# Altium PCB allaki_mezzanine.PcbDoc (part 1 of 3)
Units mm, origin at the board's own origin, x right, y up, seen from the top; angles counter-clockwise.
Board outline 100.05 x 34.55 mm, 6 copper layers (Top Layer, MidLayer1, MidLayer2, MidLayer3, MidLayer4, Bottom Layer), stack 1.096 mm thick; 322 components, 189 nets, 933 pads, 442 vias.
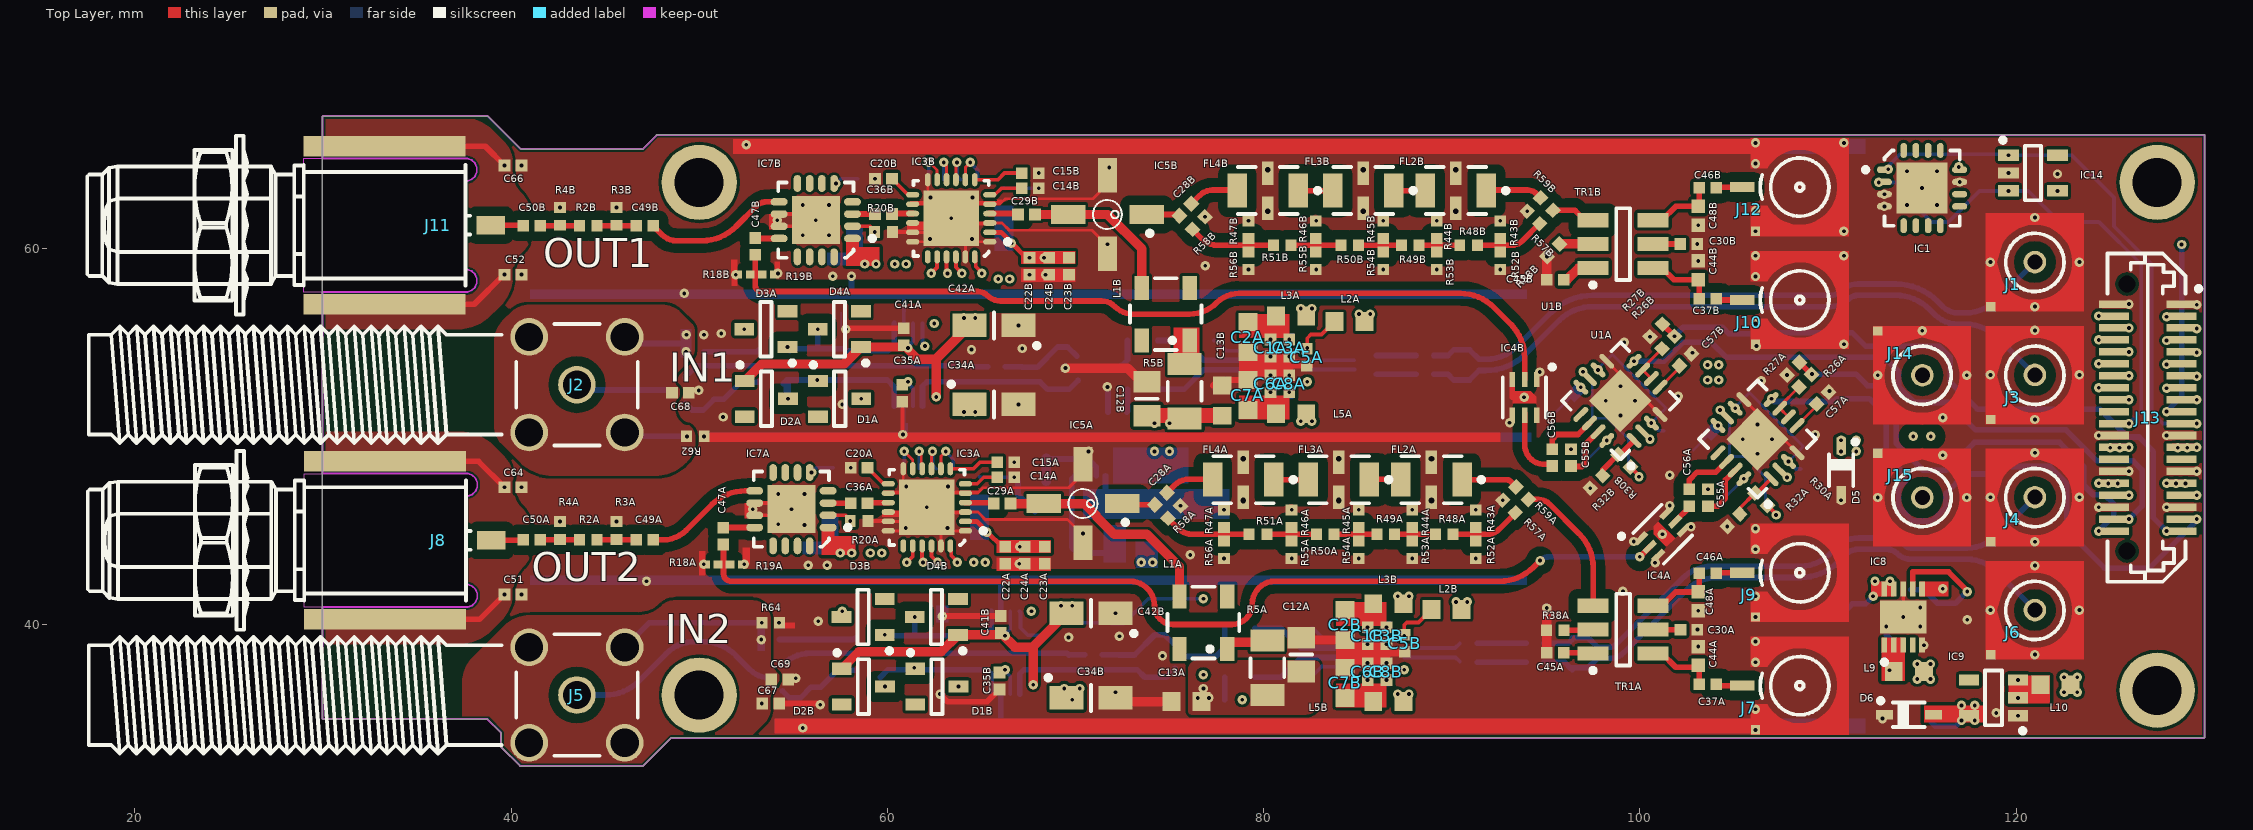
[diagram p0: Top Layer view]
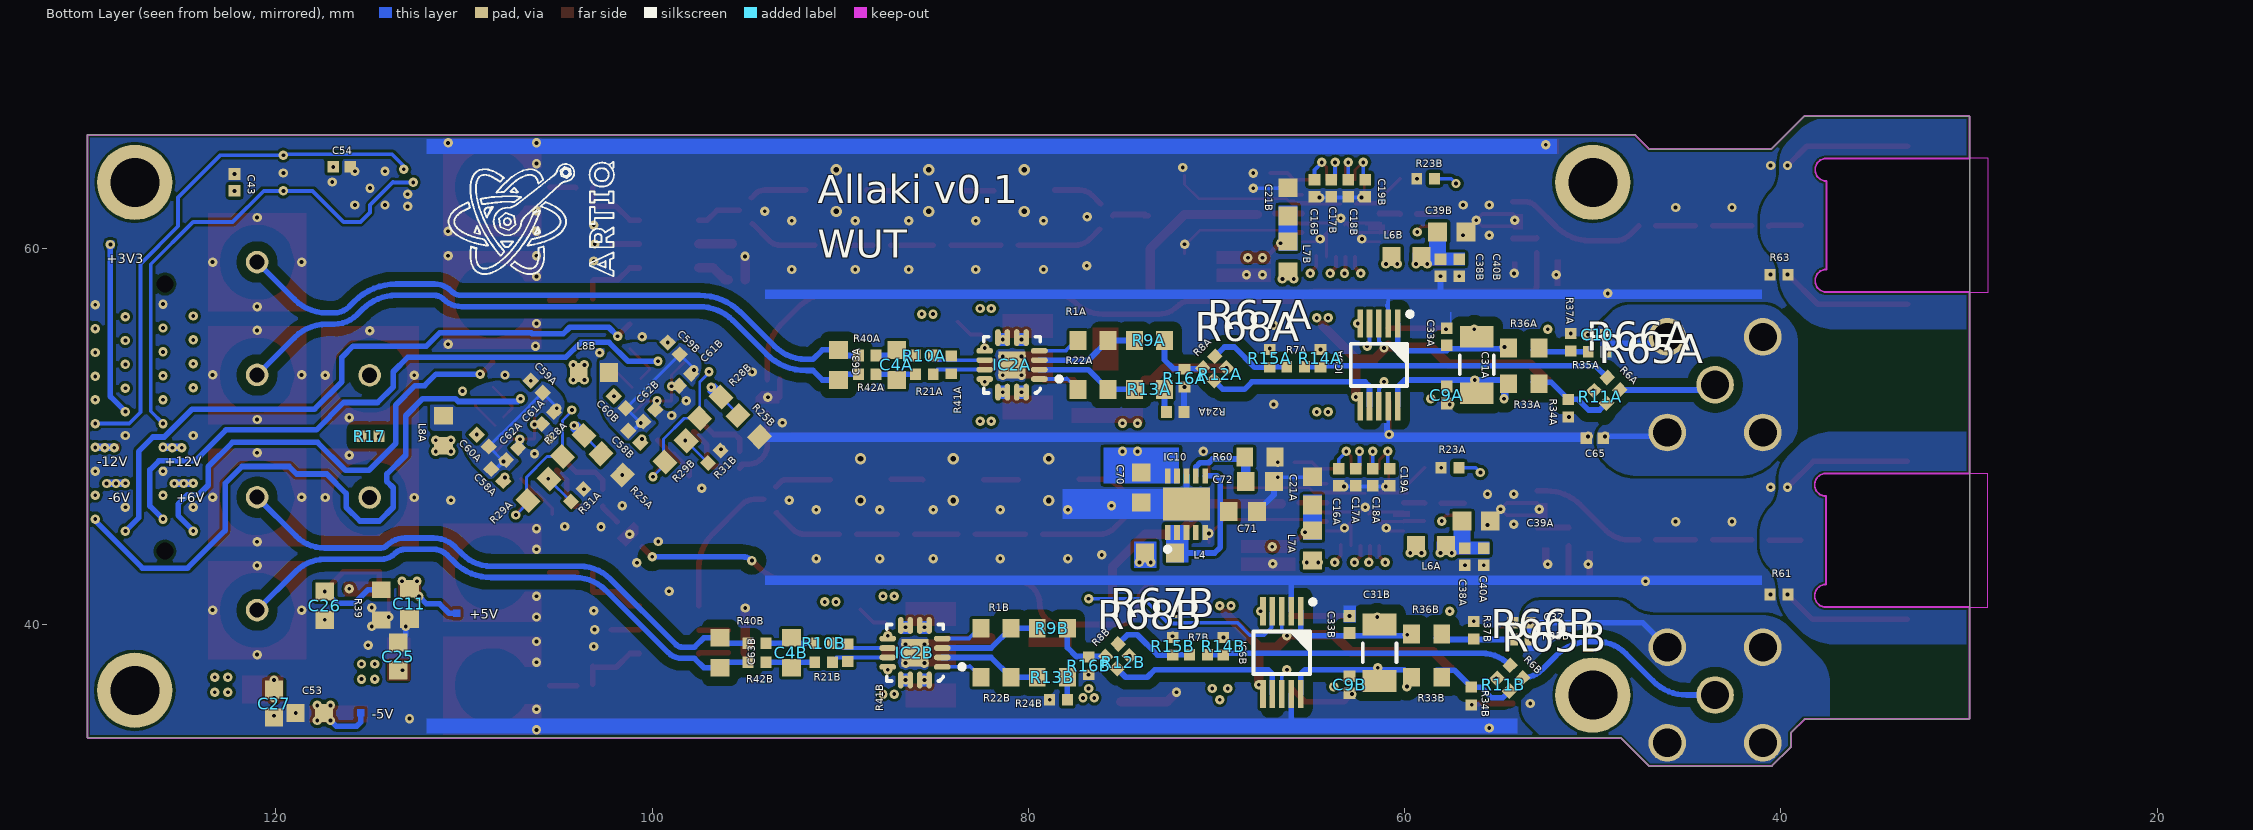
[diagram p1: Bottom Layer view, seen from below]
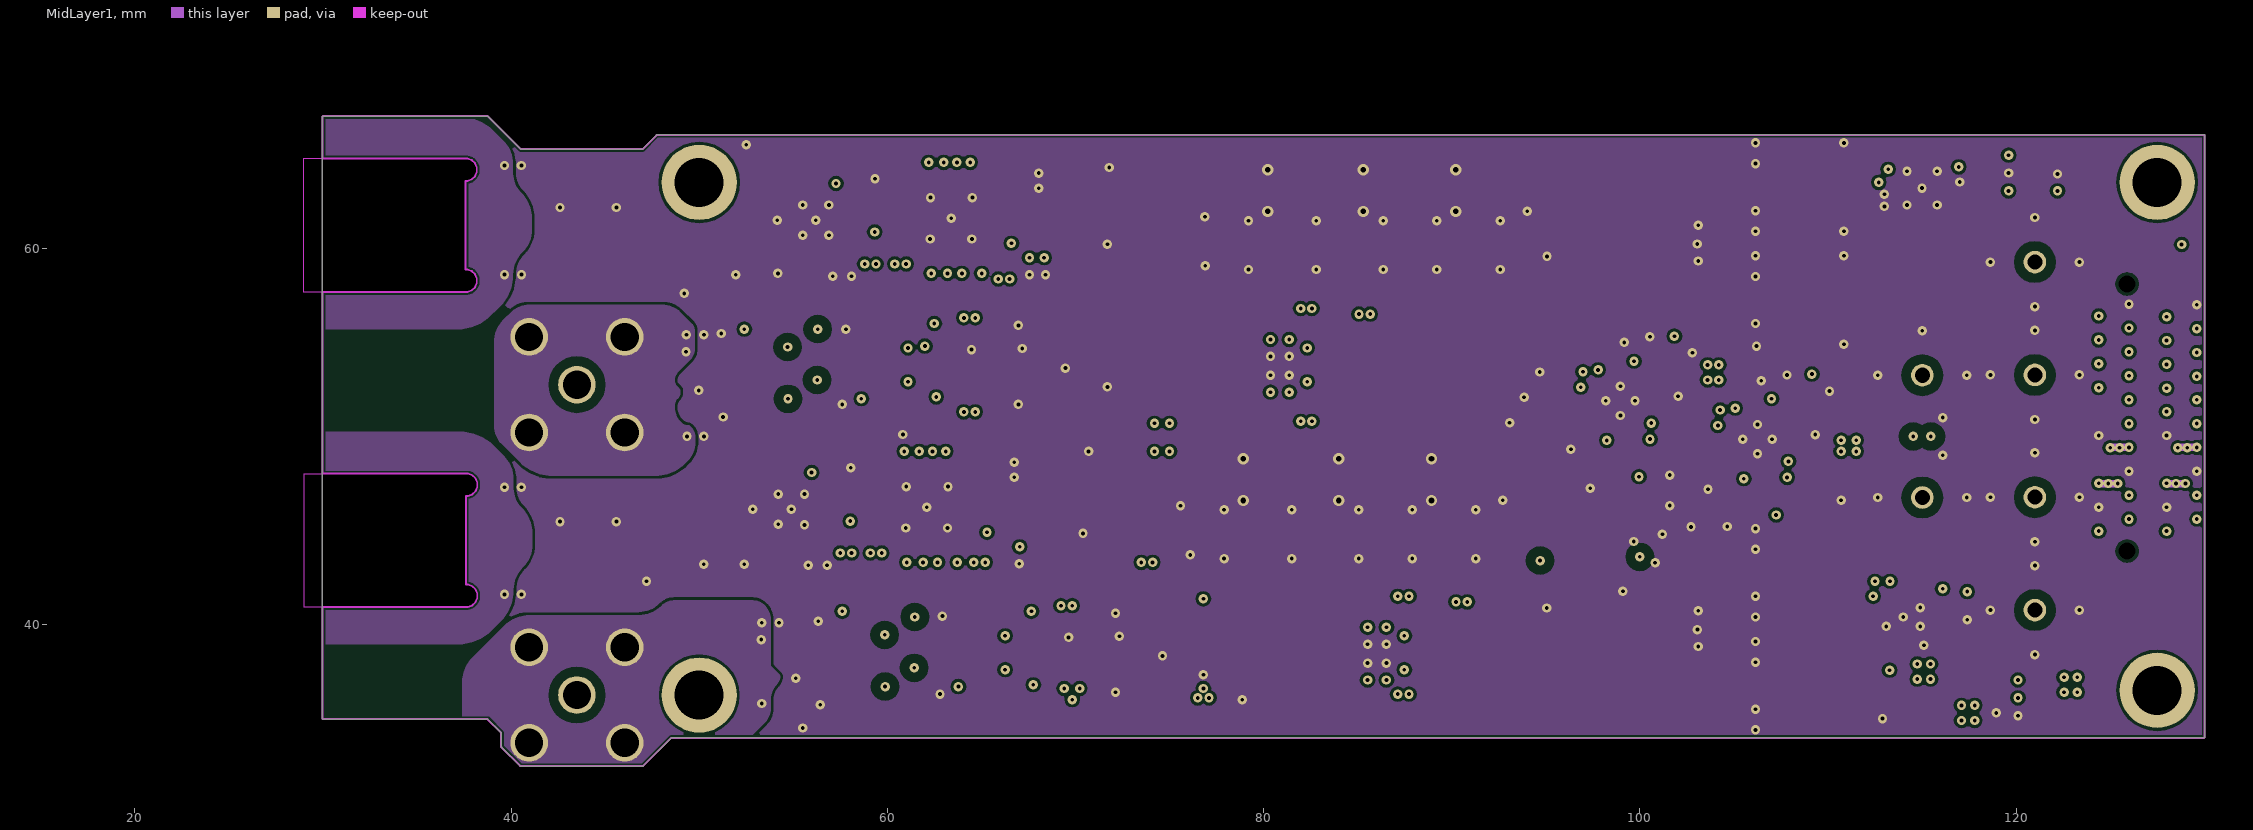
[diagram p2: MidLayer1]
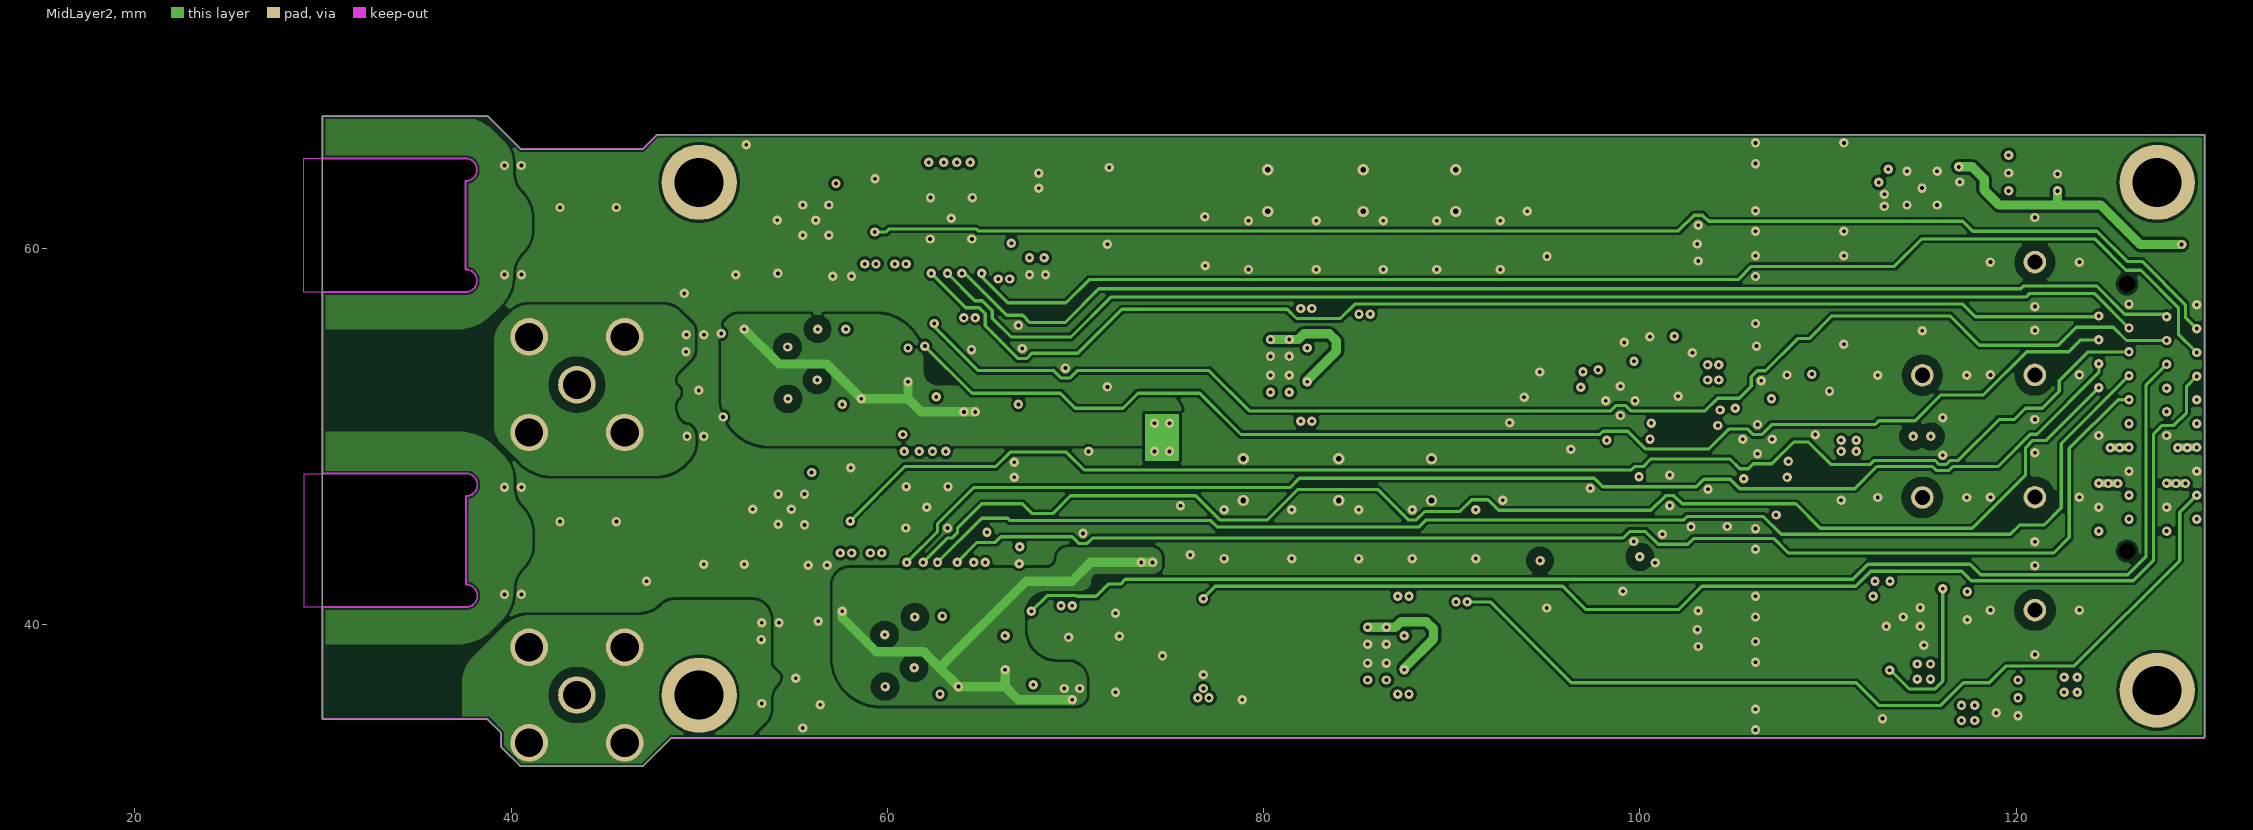
[diagram p3: MidLayer2]
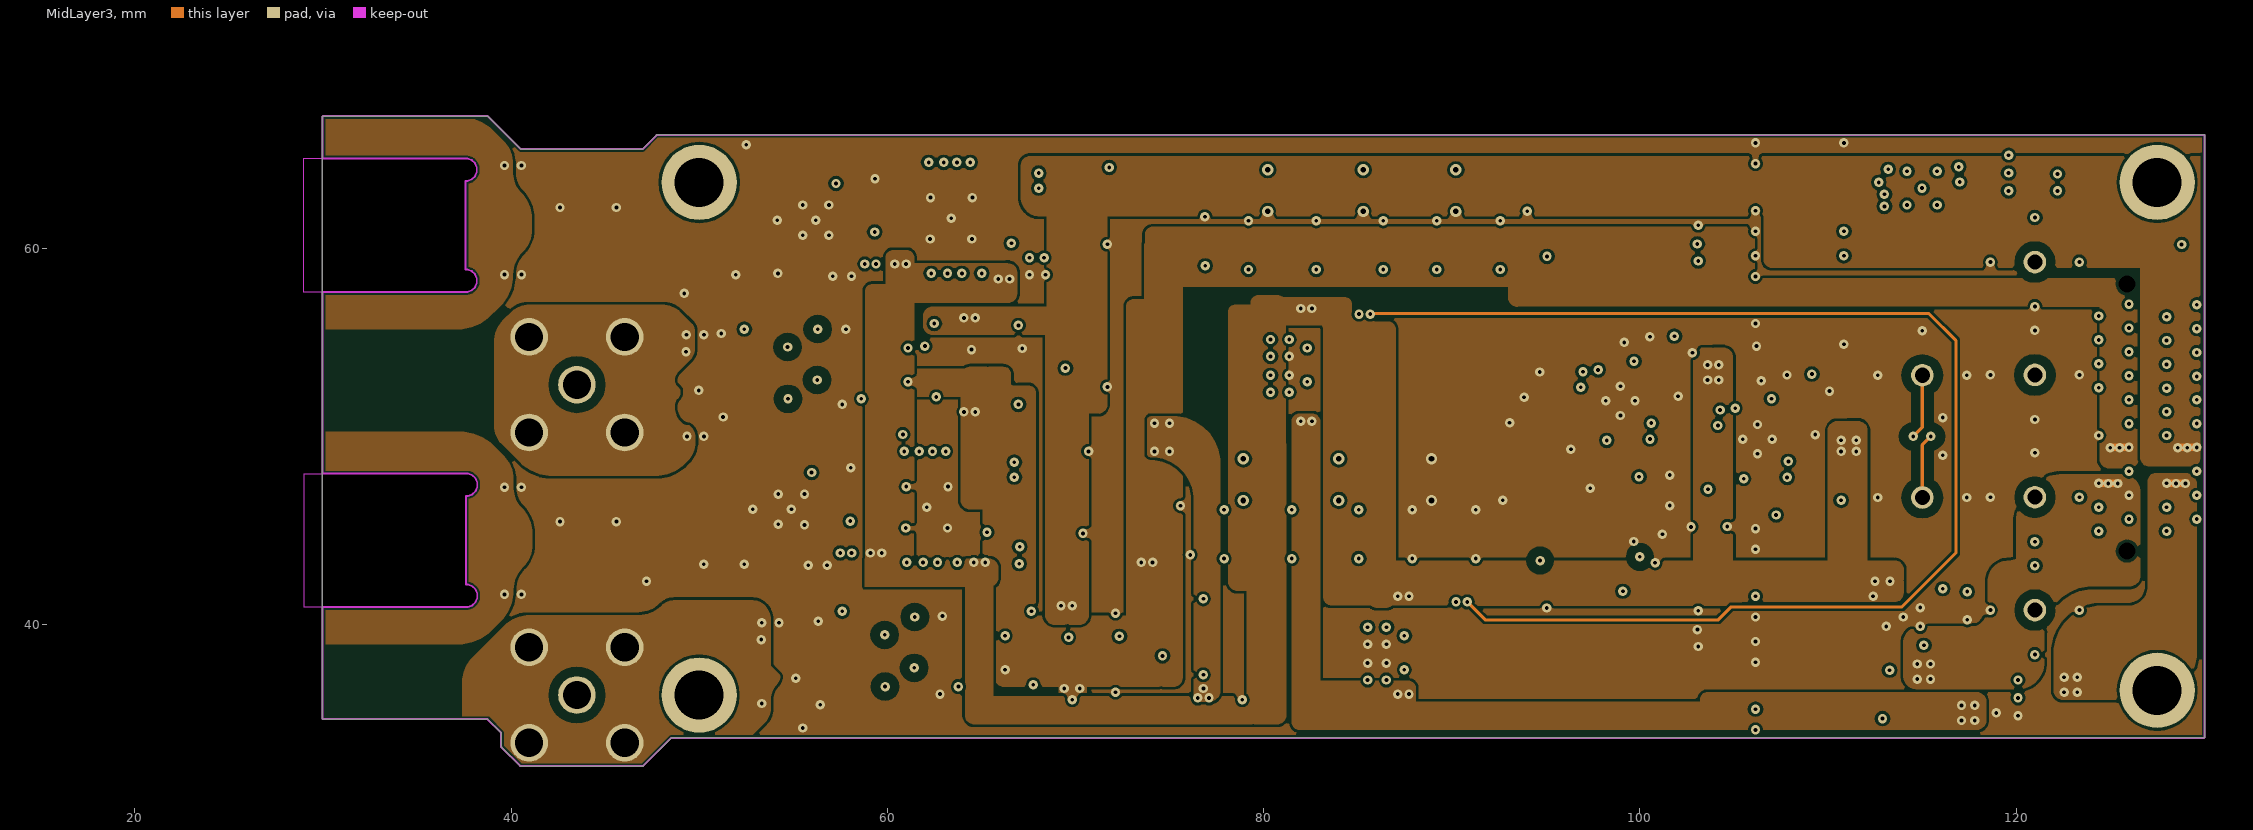
[diagram p4: MidLayer3]
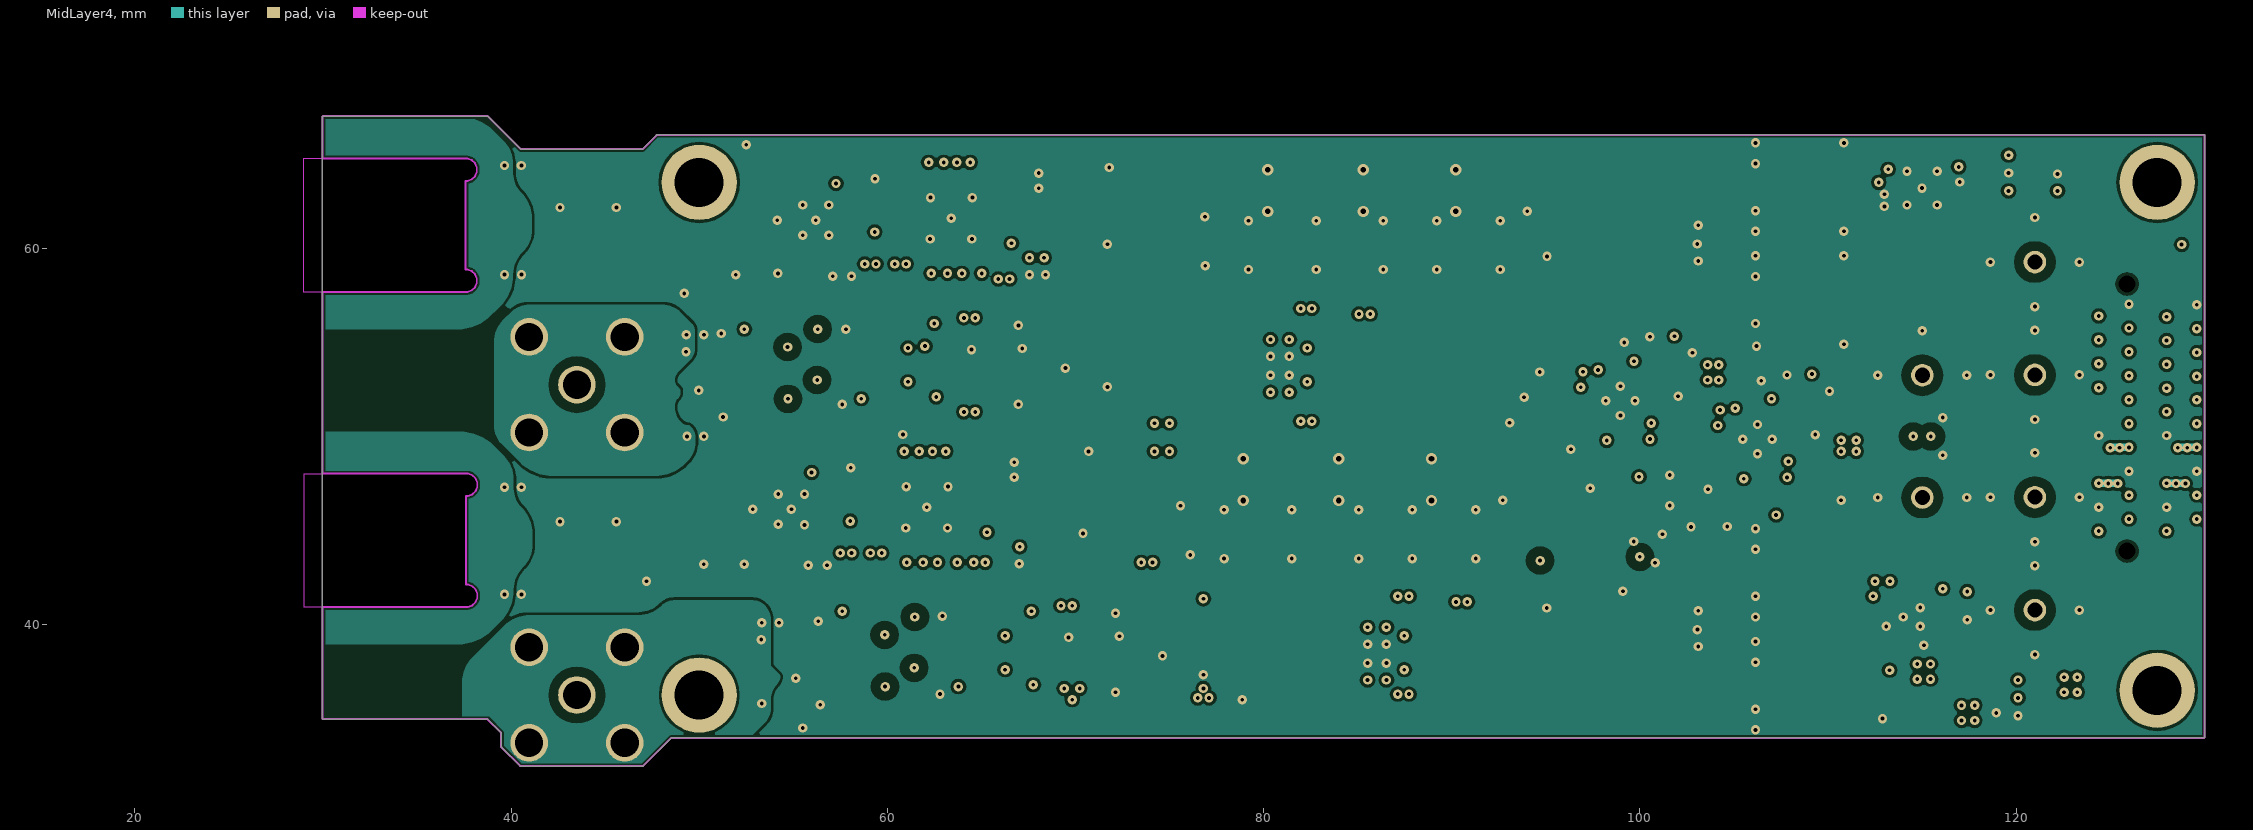
[diagram p5: MidLayer4]
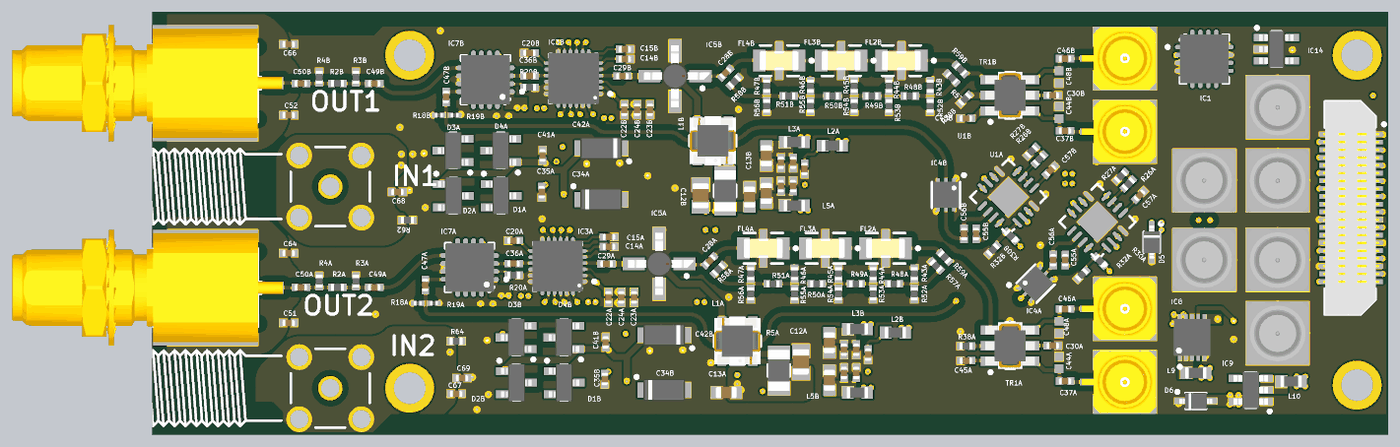
[diagram p8: 3D render of the assembled board from above, using the file's embedded part models]
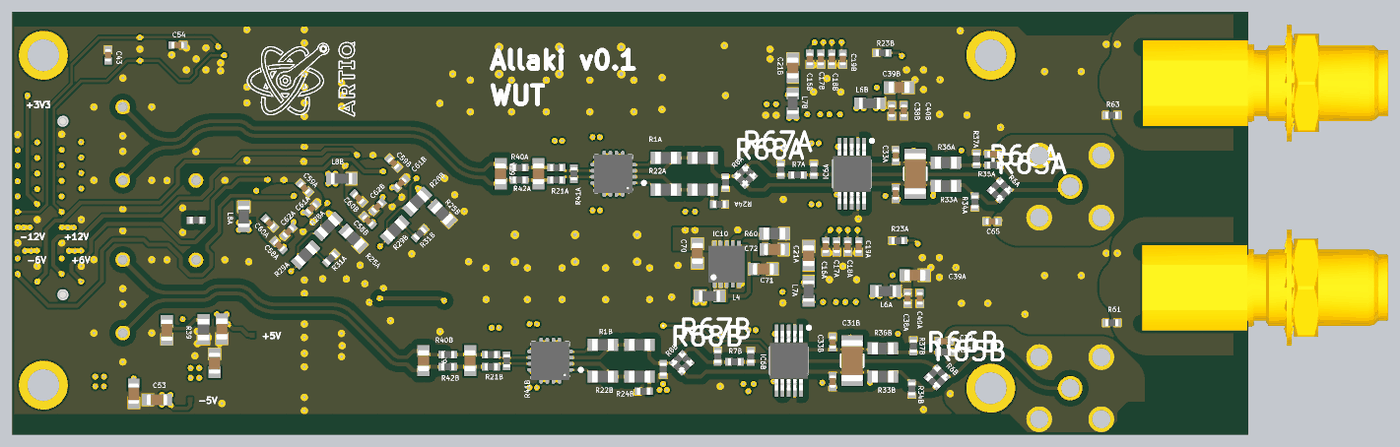
[diagram p9: 3D render of the assembled board from below, using the file's embedded part models]

## Layer stack, top to bottom
Top Solder: solder mask 0.034, Solder Resist, Dk 3.5
Top Layer: signal copper 0.058
Dielectric1: core 0.168, RO4350B, Dk 3.66
MidLayer1: signal copper 0.018
Dielectric2: prepreg 0.202, RO4450B, Dk 3.66
MidLayer2: signal copper 0.018
Dielectric3: core 0.168, RO4350B, Dk 3.66
MidLayer3: signal copper 0.018
Dielectric4: prepreg 0.202, RO4450B, Dk 3.66
MidLayer4: signal copper 0.018
Dielectric7: core 0.168, RO4350B, Dk 3.66
Bottom Layer: signal copper 0.058
Bottom Solder: solder mask 0.034, Solder Resist, Dk 3.5

## Board outline
38.739,34.975 39.475,34.239 39.475,33.5 ccw(c39.5,33.5) 39.482,33.482 40.482,32.482 cw(c40.5,32.5) 40.482,32.482 ccw(c40.5,32.5) 40.5,32.475 47,32.475 ccw(c47,32.5) 47.018,32.482 48.511,33.975 130,33.975 ccw(c130,34) 130.025,34 130.025,66 ccw(c130,66) 130,66.025 47.75,66.025 ccw(c47.75,66) 47.732,66.018 cw(c47.75,66) 47.732,66.018 46.989,65.275 40.511,65.275 38.768,67.018 cw(c38.75,67) 38.768,67.018 ccw(c38.75,67) 38.75,67.025 30,67.025 ccw(c30,67) 29.975,67 29.975,35 ccw(c30,35) 30,34.975

## Design rules (kind name [scope] priority, off if disabled: settings)
AcuteAngle AcuteAngle_GND [InNet('GND')] p1: minimum=7.00000000000000E+0001 checktracksonly=FALSE
AcuteAngle [All] p2: minimum=8.00000000000000E+0001 checktracksonly=FALSE
Clearance Clearance_KeepOut [OnLayer('Keep-Out Layer') vs NOT (InComponent('J8') OR InComponent('J11'))] p1: gap=0.1 ignorepadtopadclearanceinfootprint=TRUE
Clearance Clearance_50_Ohms_GND_VIA [InNetClass('50_Ohms') vs (IsVia AND InNet('GND')) and not(IsPad)] p2: gap=0.2 ignorepadtopadclearanceinfootprint=TRUE
Clearance Clearance_50_Ohms_GND_Plane [InNetClass('50_Ohms') vs InPolygon] p3: gap=0.5 ignorepadtopadclearanceinfootprint=TRUE
Clearance Clearance_50_Ohms_GND_PADS [InNetClass('50_Ohms') vs InNet('GND')] p4: gap=0.2 ignorepadtopadclearanceinfootprint=TRUE
Clearance Clearance_50_Ohms [InNetClass('50_Ohms')] p5: gap=0.2 ignorepadtopadclearanceinfootprint=TRUE
Clearance Clearance_DiffPair [(InDifferentialPairClass('All Differential Pairs')) vs NOT (InDifferentialPairClass('All Differential Pairs'))] p6: gap=0.5 ignorepadtopadclearanceinfootprint=TRUE except(0.3: Arc-SMDPad Track-SMDPad SMDPad-SMDPad; 0.4: SMDPad-Via)
Clearance Clearance_DiffPair_1 [(InDifferentialPairClass('All Differential Pairs')) vs (InDifferentialPairClass('All Differential Pairs'))] p7: gap=0.3 ignorepadtopadclearanceinfootprint=TRUE
Clearance [Not (OnLayer('Keep-Out Layer'))] p8: gap=0.152 ignorepadtopadclearanceinfootprint=TRUE except(0.1: Arc-Region Track-Region SMDPad-Region THPad-Region Via-Region Fill-Region Poly-Region Region-Region)
Clearance Clearance_abs [All] p9: gap=0.1 ignorepadtopadclearanceinfootprint=TRUE
ComponentClearance Clearance_ERNI [(HasFootprint('ERMET ZD 3-10 CONNECTOR')) vs (HasFootprint('ERMET ZD 3-10 CONNECTOR'))] p1: gap=0 collisioncheckmode=3 verticalgap=0.254 showdistances=FALSE
ComponentClearance Clearance_Radiall_Placement [HasFootprint('Coaxipack2') vs HasFootprint('Coaxipack2')] p2: gap=0 collisioncheckmode=3 verticalgap=0.254 showdistances=FALSE
ComponentClearance [All] p3: gap=0.254 collisioncheckmode=3 verticalgap=0.254 showdistances=FALSE
DiffPairsRouting CLK_DiffPairsRouting [(InDifferentialPairClass('All Differential Pairs'))] p1: maxlimit=0.3 minlimit=0.2 mostfreqgap=0.2 toplayer_mingap=0.3 toplayer_prefgap=0.3 toplayer_minwidth=0.17 toplayer_maxwidth=0.3 toplayer_prefwidth=0.3 midlayer1_maxgap=0.2 midlayer1_minwidth=0.17 midlayer1_maxwidth=0.17 midlayer1_prefwidth=0.17 midlayer2_maxgap=0.2 midlayer2_minwidth=0.17 midlayer2_maxwidth=0.17 midlayer2_prefwidth=0.17 midlayer3_maxgap=0.2 midlayer3_minwidth=0.17 midlayer3_maxwidth=0.17 midlayer3_prefwidth=0.17 midlayer6_maxgap=0.2 midlayer6_minwidth=0.17 midlayer6_maxwidth=0.17 midlayer6_prefwidth=0.17 bottomlayer_mingap=0.3 bottomlayer_prefgap=0.3 bottomlayer_minwidth=0.17 bottomlayer_maxwidth=0.3 bottomlayer_prefwidth=0.3 maxuncoupledlength=10
FabricationTestPointUsage TestPointUsage [All] p1: valid=0 allowmultiple=FALSE
FabricationTestpoint Testpoint [(IsPad And (OnTopLayer Or OnBottomLayer))] p1: side=3 testpointundercomponent=TRUE minsize=1.016 maxsize=2.54 preferedsize=1.524 minholesize=0 maxholesize=1.016 preferedholesize=0.813 testpointgrid=0.025 allowsidetop=TRUE allowsidebottom=TRUE usegrid=TRUE gridtolerance=0
Height BottomHeight [All] p1: minheight=0 maxheight=20 prefheight=10
Height TopHeight [OnLayer('Top Layer (LO)')] p2: minheight=0 maxheight=2.5 prefheight=1
HoleSize [All] p1: absolutevalues=TRUE maxlimit=5 minlimit=0.3 maxpercent=80.000 minpercent=20.000
HoleToHoleClearance [All] p1: gap=0.2 allowstackedmicrovias=TRUE
Length [All] p1: maxlimit=2540 minlimit=0
MinimumAnnularRing MinimumAnnularRing_Blind [(InNetClass('50_Ohms') OR InDifferentialPairClass('All Differential Pairs'))] p1: minimumring=0.1
MinimumAnnularRing [All] p2: minimumring=0.15
MinimumSolderMaskSliver [All] p1: minsoldermaskwidth=0.2
PlaneClearance [All] p1: clearance=0.2
PlaneConnect [All] p1: planeconnectstyle=Direct reliefexpansion=0.508 reliefentries=4 reliefconductorwidth=0.254 reliefairgap=0.254
PolygonConnect [All] p1: connectstyle=Direct reliefconductorwidth=0.254 reliefentries=4 polygonreliefangle="90 Angle" airgapwidth=0.254
RoomDefinition U_DAC_channel1 [InComponentClass('U_DAC_channel1')] p1: confinementstyle=ConfineIn formatcopy=TRUE lockcomponents=FALSE outline 39.5,42.4 94.3,42.4 94.3,49.9 39.5,49.9
RoomDefinition U_ADC_channel2 [InComponentClass('U_ADC_channel2')] p2: confinementstyle=ConfineIn formatcopy=TRUE lockcomponents=FALSE outline 52.6,34.9 94,34.9 94,42 52.6,42
RoomDefinition U_ADC_channel1 [InComponentClass('U_ADC_channel1')] p3: confinementstyle=ConfineIn formatcopy=TRUE lockcomponents=FALSE outline 47.44,50.2 88.84,50.2 88.84,57.3 47.44,57.3
RoomDefinition U_PowerSupply [InComponentClass('U_PowerSupply')] p4: confinementstyle=ConfineIn formatcopy=TRUE lockcomponents=FALSE outline 106.9,21.7 124,21.7 124,30.75 106.9,30.75
RoomDefinition U_FP_connectors [InComponentClass('U_FP_connectors')] p5: confinementstyle=ConfineIn formatcopy=TRUE lockcomponents=FALSE outline 23.5,31.25 27,31.25 27,68.75 23.5,68.75
RoomDefinition U_B2B_connectors [InComponentClass('U_B2B_connectors')] p6: confinementstyle=ConfineIn formatcopy=TRUE lockcomponents=FALSE outline 124,33.5 130.5,33.5 130.5,66.5 124,66.5
RoomDefinition U_Mgmt [InComponentClass('U_Mgmt')] p7: confinementstyle=ConfineIn formatcopy=TRUE lockcomponents=FALSE outline 111.4,60.2 123.3,60.2 123.3,66.3 111.4,66.3
RoomDefinition U_DAC_channel2 [InComponentClass('U_DAC_channel2')] p8: confinementstyle=ConfineIn formatcopy=TRUE lockcomponents=FALSE outline 39.8,57.6 105.65,57.6 105.65,65.3 39.8,65.3
RoutingVias [All] p1: holewidth=0.2 width=0.5 viastyle="Through Hole" minholewidth=0.1 minwidth=0.5 maxholewidth=5 maxwidth=5
SMDNeckDown [All] p1: percent=100.000
SMDToCorner [All] p1: distance=78740
SMDToPlane [All] p1: distance=0
SilkToSilkClearance [All] p1: silktosilkclearance=0
SilkToSolderMaskClearance SilkscreenOverComponentPads [IsPad] p1: minsilkscreentomaskgap=0.05 clearancetoexposedcopper=TRUE
SolderMaskExpansion SolderMaskExpansion_GND_VIA [IsVia AND InNet('GND')] p1: expansion=-0.1
SolderMaskExpansion [All] p2: expansion=0.05
Width 50_Ohm_Lines [InNetClass('50_Ohms')] p1: maxlimit=0.33 minlimit=0.17 preferedwidth=0.17 toplayer_minwidth=0.3 toplayer_prefwidth=0.33 midlayer1_maxwidth=0.17 midlayer2_maxwidth=0.17 midlayer3_maxwidth=0.17 midlayer6_maxwidth=0.17 bottomlayer_minwidth=0.3 bottomlayer_prefwidth=0.33 minimp=49.000000 maximp=51.000000 favimp=50.000000
Width CLK_DiffPairs_Width [(InDifferentialPairClass('All Differential Pairs'))] p2: maxlimit=0.29 minlimit=0.17 preferedwidth=0.17 toplayer_prefwidth=0.29 midlayer1_maxwidth=0.17 midlayer2_maxwidth=0.17 midlayer3_maxwidth=0.17 midlayer6_maxwidth=0.17 bottomlayer_prefwidth=0.29 minimp=50.000000 maximp=50.000000 favimp=50.000000 checkconnectedcopper=TRUE
Width Width-SE [All] p3: maxlimit=0.5 minlimit=0.152 preferedwidth=0.17 toplayer_prefwidth=0.3 bottomlayer_prefwidth=0.3 minimp=49.000000 maximp=51.000000 favimp=50.000000
18 further rules are at their usual default settings.
